# Altium PCB Machine interlock controller.PcbDoc
Units mm, origin at the board's own origin, x right, y up, seen from the top; angles counter-clockwise.
Board outline 50 x 80 mm, 4 copper layers (Top Layer, Int1 (GND), Int2 (PWR), Bottom Layer), stack 1.369 mm thick; 110 components, 78 nets, 324 pads, 117 vias.
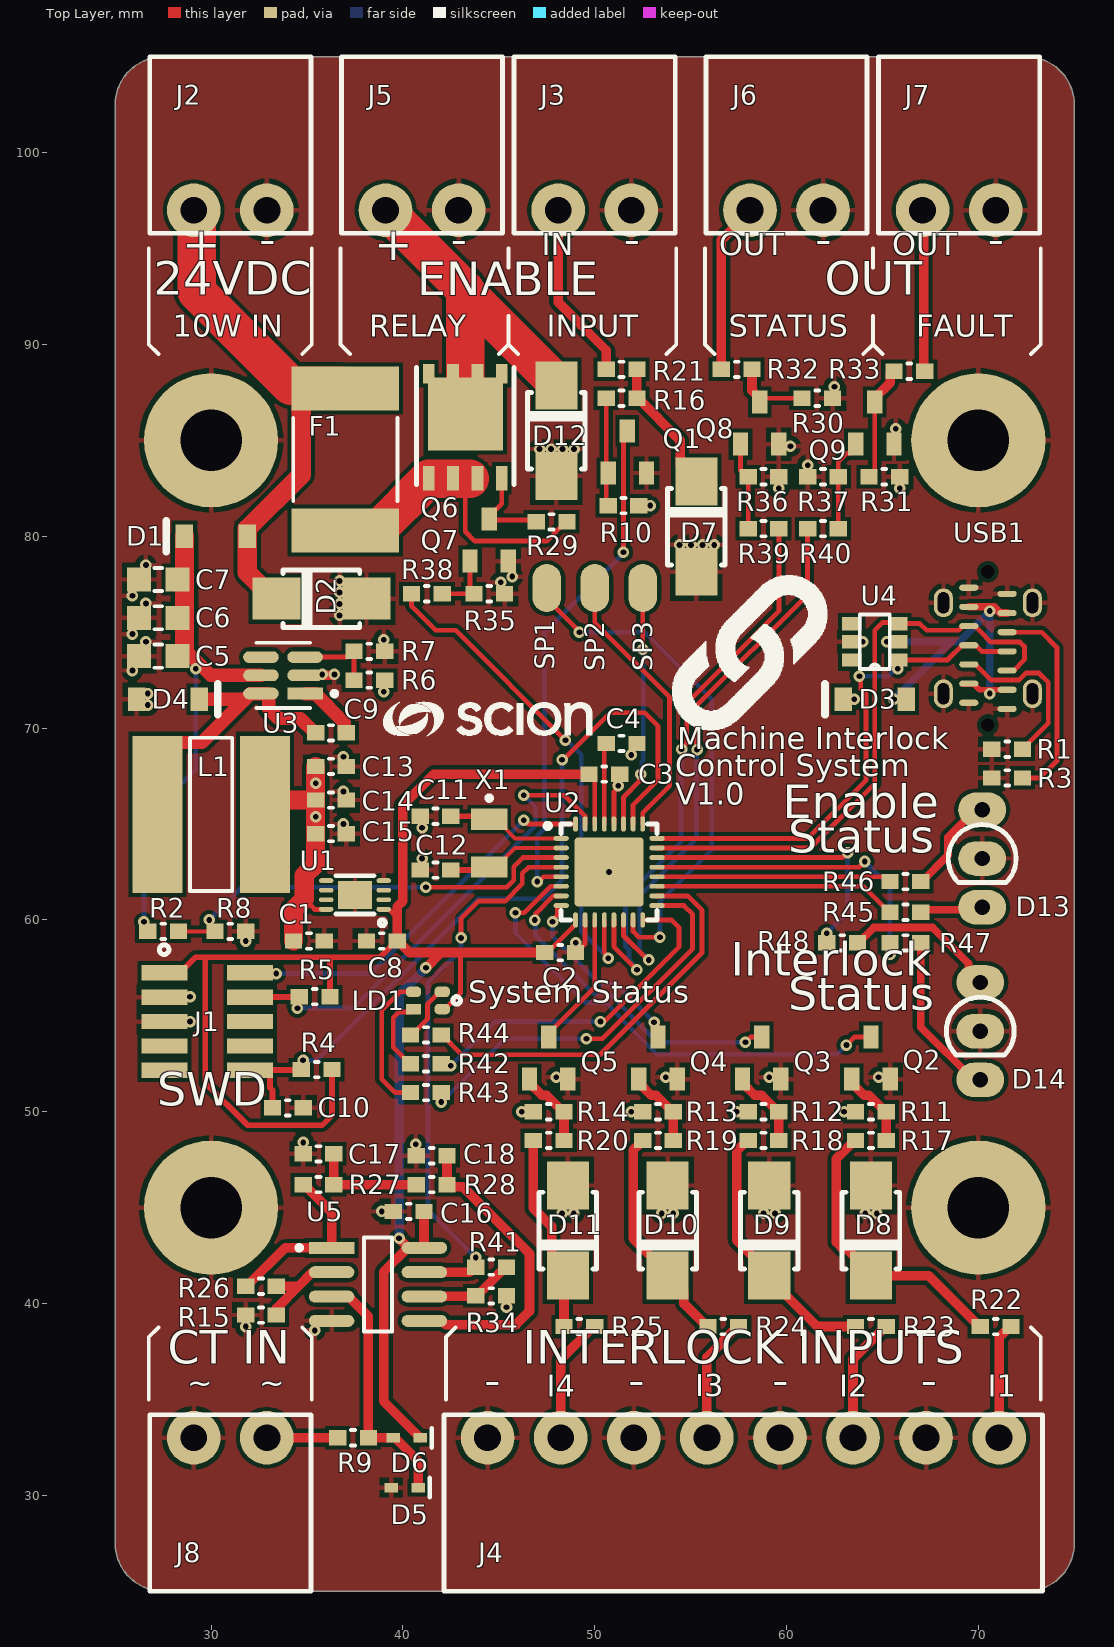
[diagram p0: Top Layer view]
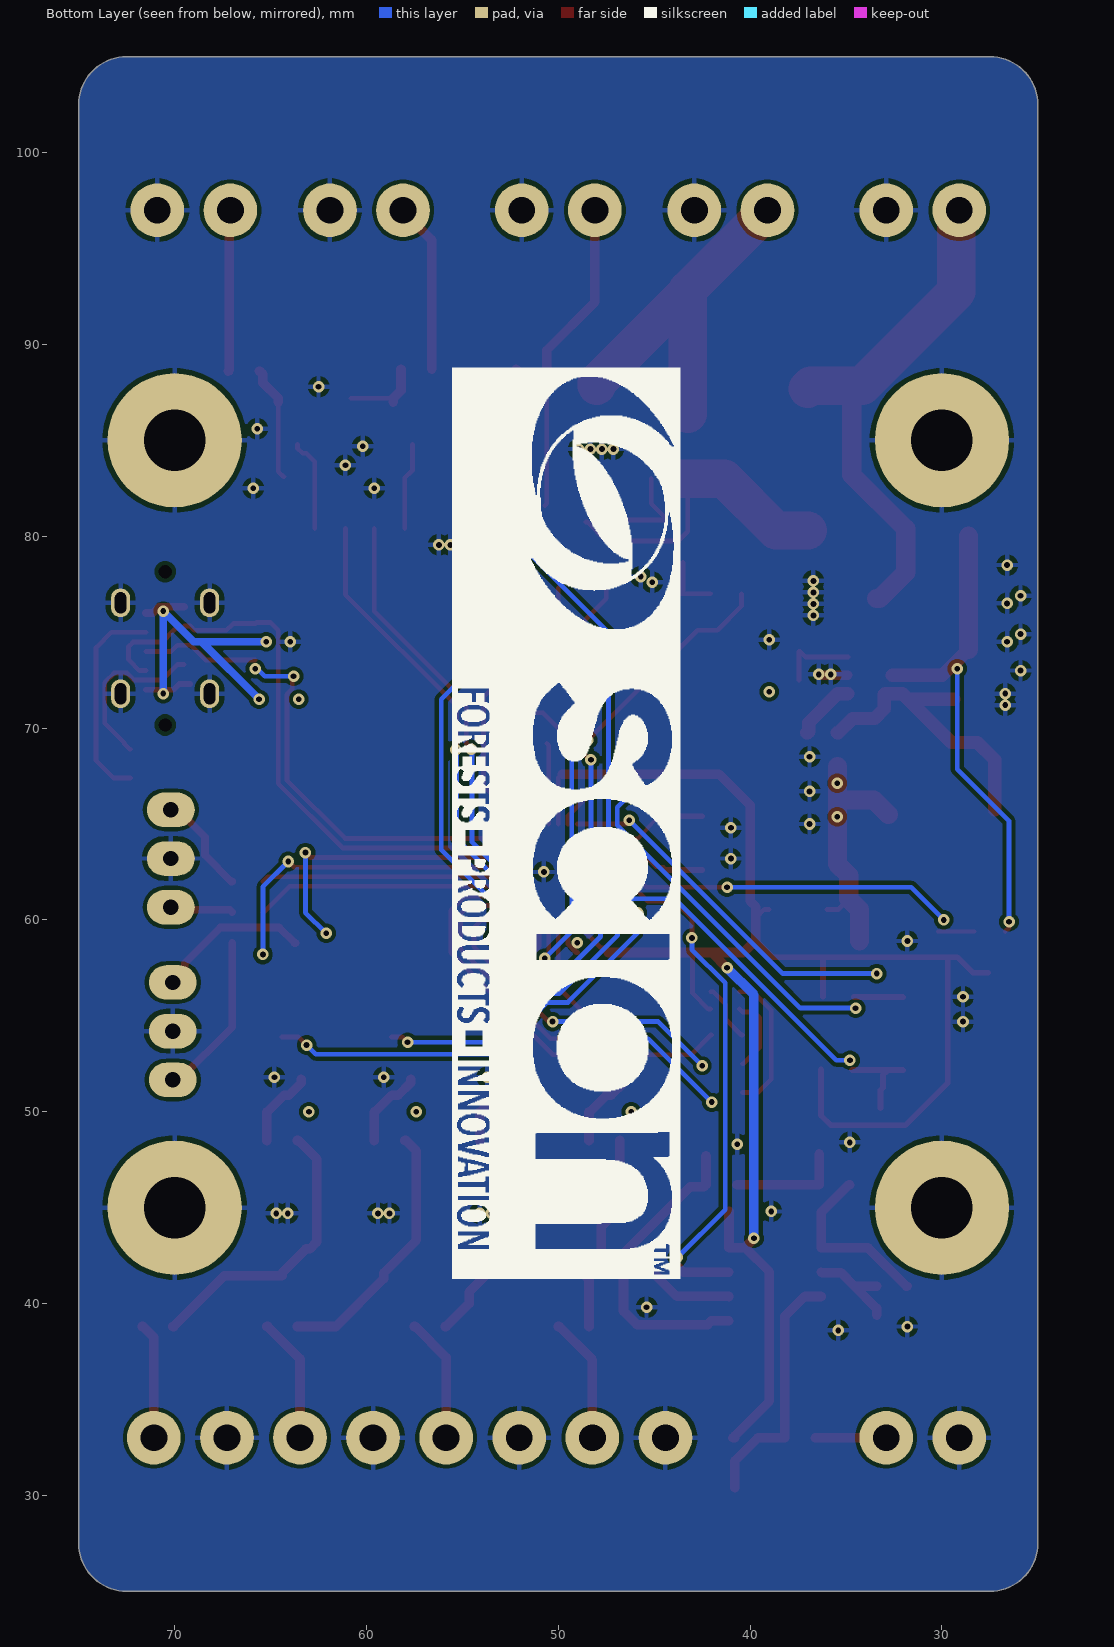
[diagram p1: Bottom Layer view, seen from below]
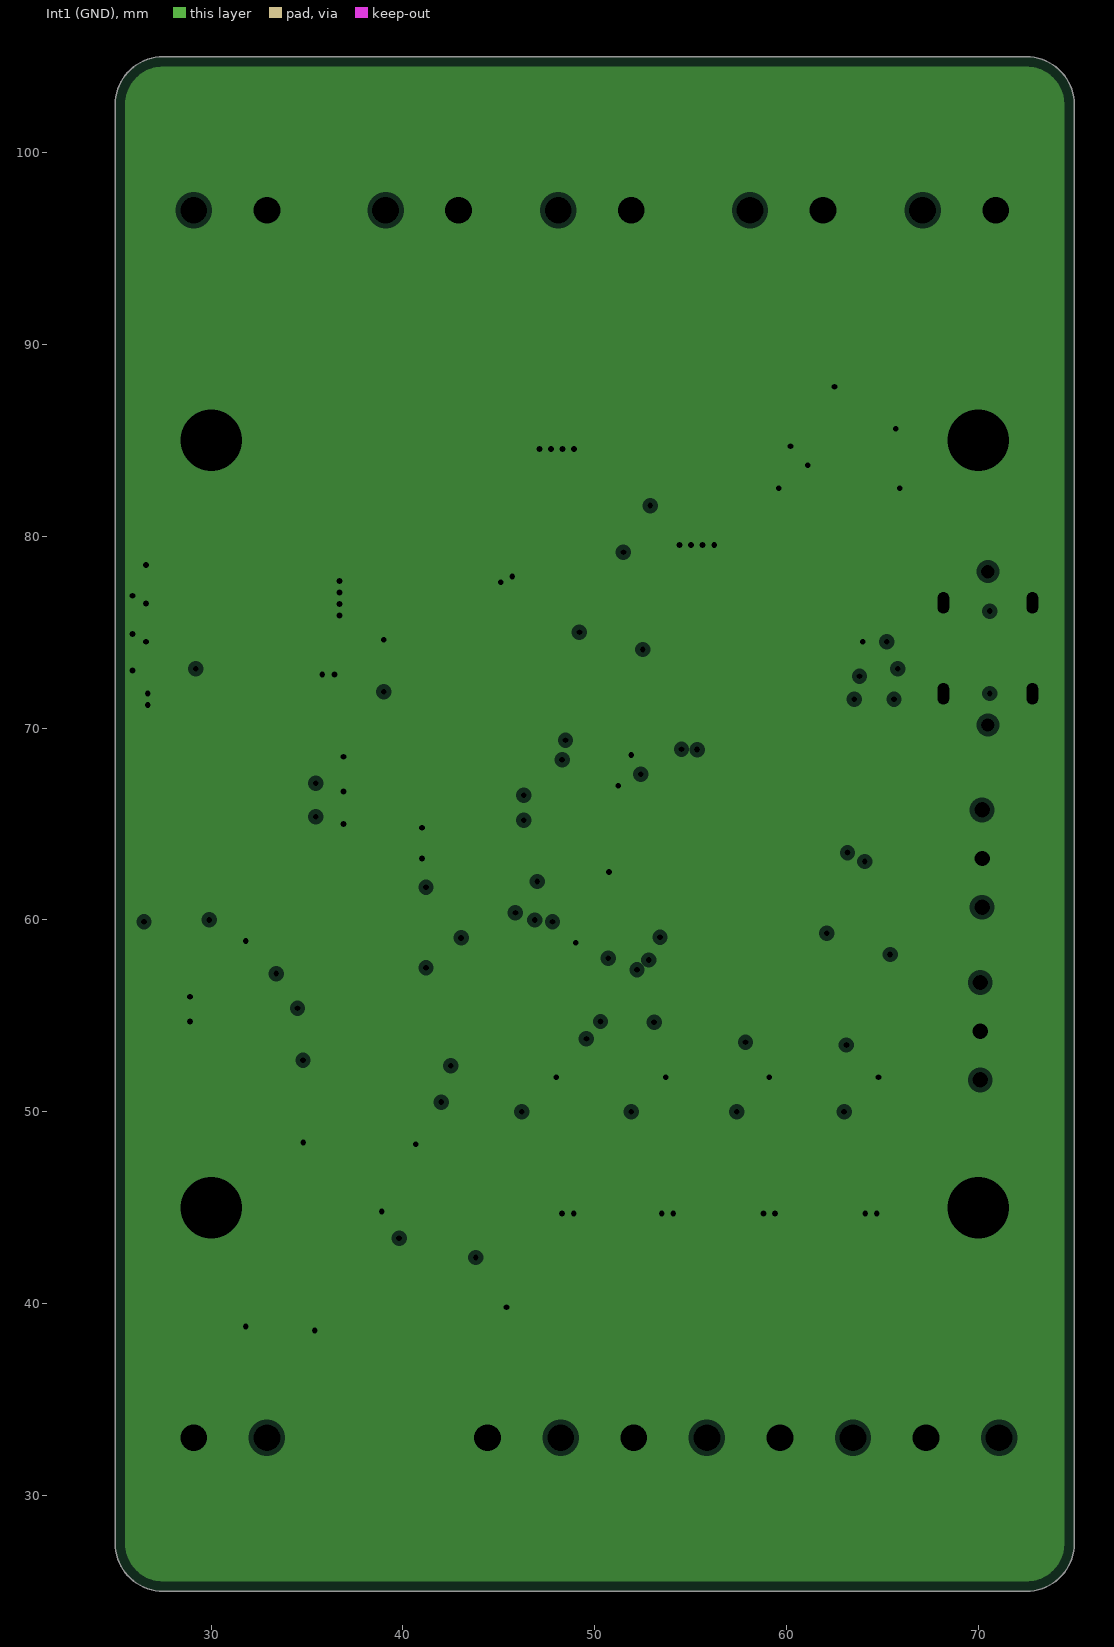
[diagram p2: Int1 (GND), clearances drawn from the general rule]
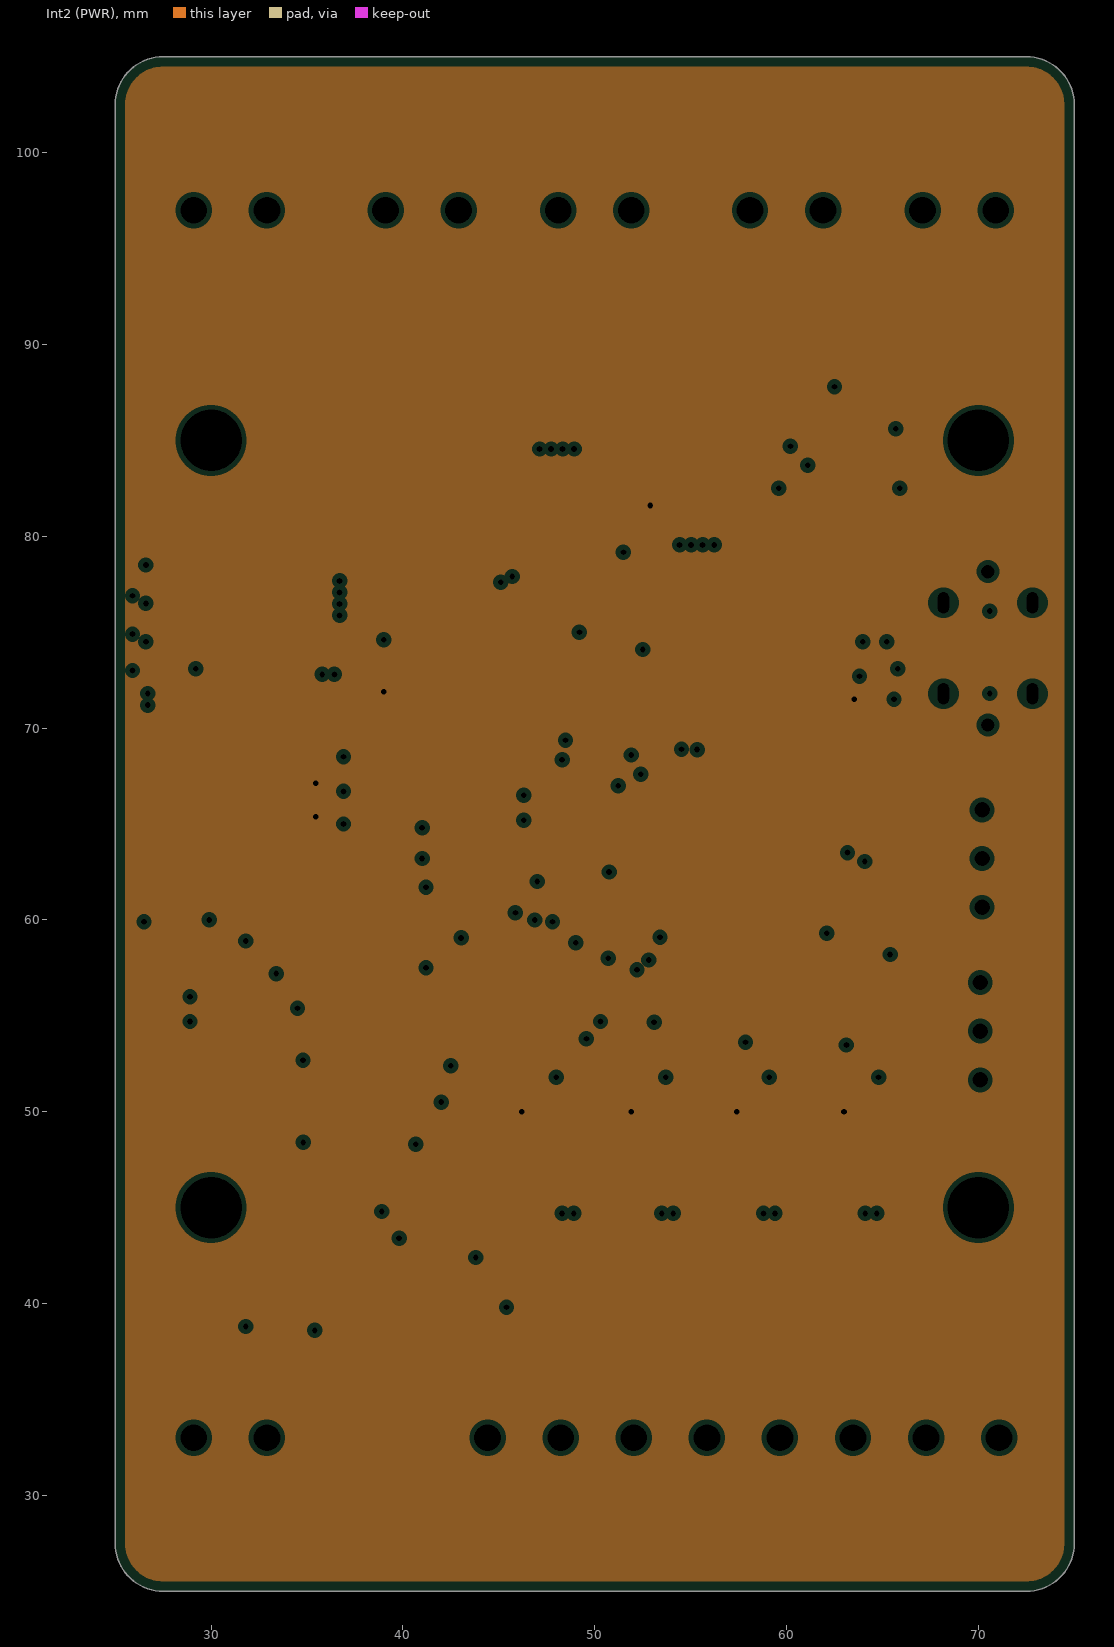
[diagram p3: Int2 (PWR), clearances drawn from the general rule]
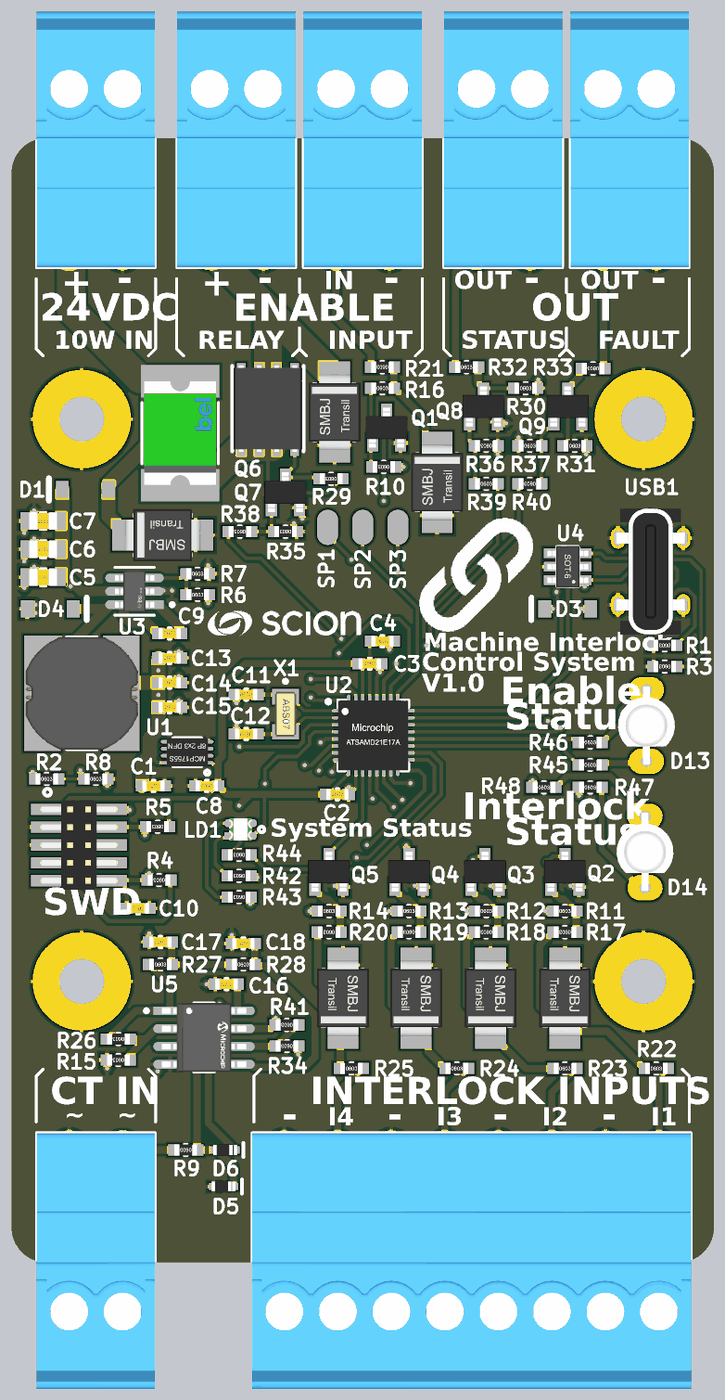
[diagram p4: 3D render of the assembled board from above, using the file's embedded part models]

## Layer stack, top to bottom
Top Solder: solder mask 0.0254, SM-001, Dk 4
Top Layer: signal copper 0.035
Dielectric 1: prepreg 0.1295, PP-017, Dk 4.3
Dielectric 2: prepreg 0.1295, PP-017, Dk 4.3
Int1 (GND): plane copper 0.035, net GND
Dielectric 3: core 0.7112, Core-039, Dk 4.8
Int2 (PWR): plane copper 0.035, net +5V
Dielectric 4: prepreg 0.1295, PP-017, Dk 4.3
Dielectric 5: prepreg 0.1295, PP-017, Dk 4.3
Bottom Layer: signal copper 0.035
Bottom Solder: solder mask 0.0254, SM-001, Dk 4

## Board outline
25,27.5 ccw(c27.5,27.5) 27.5,25 72.5,25 ccw(c72.5,27.5) 75,27.5 75,102.5 ccw(c72.5,102.5) 72.5,105 27.5,105 ccw(c27.5,102.5) 25,102.5

## Design rules (kind name [scope] priority, off if disabled: settings)
Clearance Clearance_1 [OnMid vs OnMid] p1: gap=0.2 ignorepadtopadclearanceinfootprint=FALSE sourcerule=41 cellrowname=All cellrowtype=0 cellcolname=All cellcoltype=0 innerlayers=TRUE
Clearance Clearance_2 [(ExistsOnLayer('Top Layer') Or ExistsOnLayer('Bottom Layer')) vs (ExistsOnLayer('Top Layer') Or ExistsOnLayer('Bottom Layer'))] p2: gap=0.2 ignorepadtopadclearanceinfootprint=FALSE sourcerule=41 cellrowname=All cellrowtype=0 cellcolname=All cellcoltype=0 outerlayers=TRUE
Clearance [All] p3: gap=0.254 ignorepadtopadclearanceinfootprint=FALSE ismatrix=TRUE
DiffPairsRouting "Schematic Differential Pairs Routing" [InDifferentialPairClass('All Differential Pairs')] p1: maxlimit=0.4 minlimit=0.2 mostfreqgap=0.25 toplayer_minwidth=0.2 toplayer_maxwidth=0.4 toplayer_prefwidth=0.25 bottomlayer_minwidth=0.2 bottomlayer_maxwidth=0.4 bottomlayer_prefwidth=0.25 maxuncoupledlength=12.7
DiffPairsRouting [All] p2: maxlimit=0.254 minlimit=0.254 mostfreqgap=0.254 toplayer_minwidth=0.381 toplayer_maxwidth=0.381 toplayer_prefwidth=0.381 bottomlayer_minwidth=0.381 bottomlayer_maxwidth=0.381 bottomlayer_prefwidth=0.381 maxuncoupledlength=12.7
HoleSize [All] p1: absolutevalues=TRUE maxlimit=5 minlimit=0.3 maxpercent=80.000 minpercent=20.000
PlaneClearance [All] p1: clearance=0.25
PlaneConnect [All] p1: planeconnectstyle=Relief reliefexpansion=0.25 reliefentries=4 reliefconductorwidth=0.25 reliefairgap=0.25
PolygonConnect [All] p1: connectstyle=Relief reliefconductorwidth=0.254 reliefentries=4 polygonreliefangle="90 Angle" airgapwidth=0.254
RoutingVias [All] p1: holewidth=0.3 width=0.6 viastyle="Through Hole" minholewidth=0.3 minwidth=0.6 maxholewidth=0.3 maxwidth=0.6
SolderMaskExpansion [All] p1: expansion=0.102 istentingtop=FALSE
Width "Schematic Width Constraint_3" [InNet('+3V3')] p1: maxlimit=10 minlimit=0.2 preferedwidth=0.4 minimp=50.000000 maximp=50.000000 favimp=50.000000
Width "Schematic Width Constraint_2" [InNet('+5V')] p2: maxlimit=10 minlimit=0.25 preferedwidth=0.5 minimp=50.000000 maximp=50.000000 favimp=50.000000
Width "Schematic Width Constraint" [InNet('+3V3')] p3: maxlimit=10 minlimit=0.2 preferedwidth=0.4 minimp=50.000000 maximp=50.000000 favimp=50.000000
Width "Schematic Width Constraint_1" [InNet('GND')] p4: maxlimit=10 minlimit=0.2 preferedwidth=0.4 minimp=50.000000 maximp=50.000000 favimp=50.000000
Width [All] p5: maxlimit=10 minlimit=0.2 preferedwidth=0.25 minimp=50.000000 maximp=50.000000 favimp=50.000000
26 further rules are at their usual default settings.

## Components (designator, comment, footprint, x,y, rotation, side; value= is the part's Value field where it differs from the comment)
C1 "Capacitor" 0603_CAP 35.1,58.9 r0 top value=10µF
C2 "Capacitor" 0603_CAP 48.2,58.3 r0 top value=100nF
C3 "Capacitor" 0603_CAP 50.5,67.6 r0 top value=100nF
C4 "Capacitor" 0603_CAP 51.4,69.2 r0 top value=100nF
C5 "Capacitor" 0805_CAP 27.25,73.75 r180 top value=22µF
C6 "Capacitor" 0805_CAP 27.25,75.75 r180 top value=22µF
C7 "Capacitor" 0805_CAP 27.25,77.75 r180 top value=22µF
C8 "Capacitor" 0603_CAP 38.9,58.9 r180 top value=10µF
C9 "Capacitor" 0603_CAP 36.25,69.75 r0 top value=100nF
C10 "Capacitor" 0603_CAP 34,50.2 r180 top value=100nF
C11 "Capacitor" 0603_CAP 41.7,65.4 r0 top value=22pF
C12 "Capacitor" 0603_CAP 41.7,62.6 r180 top value=22pF
C13 "Capacitor" 0603_CAP 36.25,68 r0 top value=100nF
C14 "Capacitor" 0603_CAP 36.25,66.25 r0 top value=10µF
C15 "Capacitor" 0603_CAP 36.25,64.5 r0 top value=10µF
C16 "Capacitor" 0603_CAP 40.3,44.8 r180 top value=10µF
C17 "Capacitor" 0603_CAP 35.6,47.8 r180 top value=10µF
C18 "Capacitor" 0603_CAP 41.5,47.7 r180 top value=10µF
D1 "Diode" SOD-123 30.25,80 r180 top
D2 "Transil" SMBJ 35.75,76.75 r180 top
D3 "Diode" SOD-123 64.6,71.5 r180 top
D4 "Diode" SOD-123 27.75,71.5 r0 top
D5 "Diode" SOD-523 40.1,30.4 r0 top
D6 "Diode" SOD-523 40.2,33 r0 top
D7 "Transil" SMBJ 55.3,80.5 r90 top
D8 "Transil" SMBJ 64.4,43.8 r270 top
D9 "Transil" SMBJ 59.1,43.8 r270 top
D10 "Transil" SMBJ 53.8,43.8 r270 top
D11 "Transil" SMBJ 48.6,43.8 r270 top
D12 "Transil" SMBJ 48,85.5 r90 top
D13 "LED 3mm Bi-colour" "LED 3mm Bi-colour-Footprint-1" 70.2,63.2 r90 top
D14 "LED 3mm Bi-colour" "LED 3mm Bi-colour-Footprint-1" 70.1,54.2 r90 top
F1 "0ZCF0100AF2A" FP-0ZCF0100AF2A-MFG 37,84 r90 top
J1 "SWD header" DIP10_1.27_M_SMD 29.8,54.7 r0 top
J2 "24VDC IN" "2P 3.81mm Header Plugable" 31,97 r0 top
J3 "Enable" "2P 3.81mm Header Plugable" 50,97 r0 top
J4 "Interlocks" "8P 3.81mm Header Plugable" 57.75,33 r180 top
J5 "2_Pin" "2P 3.81mm Header Plugable" 41,97 r0 top
J6 "2_Pin" "2P 3.81mm Header Plugable" 60,97 r0 top
J7 "2_Pin" "2P 3.81mm Header Plugable" 69,97 r0 top
J8 "2_Pin" "2P 3.81mm Header Plugable" 31,33 r180 top
L1 "Inductor" BOUR-SRN8040_V 30,65.5 r0 top value=22µH
LD1 "LED_RGB_CA" LED_RGB_CA 41.3,55.8 r0 top
Q1 "NMOS" SOT-23 51.7,84.4 r0 top
Q2 "NMOS" SOT-23 64.4,52.8 r0 top
Q3 "NMOS" SOT-23 58.7,52.8 r0 top
Q4 "NMOS" SOT-23 53.3,52.8 r0 top
Q5 "NMOS" SOT-23 47.6,52.8 r0 top
Q6 "PMOS" "PowerDI 5060-8" 43.25,85.75 r0 top
Q7 "NMOS" SOT-23 44.5,79.8 r0 top
Q8 "NMOS" SOT-23 58.6,85.9 r0 top
Q9 "NMOS" SOT-23 64.6,85.9 r0 top
R1 "Resistor" 0603_RES 71.5,68.9 r180 top value=5k1
R2 "Resistor" 0603_RES 27.5,59.4 r0 top value=100k
R3 "Resistor" 0603_RES 71.5,67.4 r180 top value=5k1
R4 "Resistor" 0603_RES 35.5,52.2 r180 top value=10k
R5 "Resistor" 0603_RES 35.4,56 r180 top value=10k
R6 "Resistor" 0603_RES 38.25,72.5 r0 top value=100k
R7 "Resistor" 0603_RES 38.25,74 r0 top value=18k
R8 "Resistor" 0603_RES 31,59.4 r0 top value=10k
R9 "Resistor" 0603_RES 37.4,33 r180 top value=10k
R10 "Resistor" 0603_RES 51.5,81.6 r180 top value=10k
R11 "Resistor" 0603_RES 64.4,50 r0 top value=10k
R12 "Resistor" 0603_RES 58.8,50 r0 top value=10k
R13 "Resistor" 0603_RES 53.3,50 r0 top value=10k
R14 "Resistor" 0603_RES 47.6,50 r0 top value=10k
R15 "Resistor" 0603_RES 32.6,39.4 r180 top value=10k
R16 "Resistor" 0603_RES 51.4,87.2 r0 top value=100R
R17 "Resistor" 0603_RES 64.4,48.5 r180 top value=100R
R18 "Resistor" 0603_RES 58.8,48.5 r180 top value=100R
R19 "Resistor" 0603_RES 53.3,48.5 r180 top value=100R
R20 "Resistor" 0603_RES 47.6,48.5 r180 top value=100R
R21 "Resistor" 0603_RES 51.4,88.7 r180 top value=100R
R22 "Resistor" 0603_RES 70.9,38.8 r0 top value=100R
R23 "Resistor" 0603_RES 64.4,38.8 r0 top value=100R
R24 "Resistor" 0603_RES 56.7,38.8 r0 top value=100R
R25 "Resistor" 0603_RES 49.2,38.8 r0 top value=100R
R26 "Resistor" 0603_RES 32.6,40.9 r180 top value=20k
R27 "Resistor" 0603_RES 35.6,46.2 r0 top value=20k
R28 "Resistor" 0603_RES 41.5,46.2 r0 top value=20k
R29 "Resistor" 0603_RES 47.75,80.75 r180 top value=10k
R30 "Resistor" 0603_RES 61.6,87.2 r0 top value=4k7
R31 "Resistor" 0603_RES 65.1,83.1 r0 top value=4k7
R32 "Resistor" 0603_RES 57.4,88.7 r0 top value=4k7
R33 "Resistor" 0603_RES 66.4,88.6 r180 top value=4k7
R34 "Resistor" 0603_RES 44.6,40.4 r180 top value=10k
R35 "Resistor" 0603_RES 44.5,77 r180 top value=100k
R36 "Resistor" 0603_RES 58.8,83.1 r180 top value=100k
R37 "Resistor" 0603_RES 61.9,83.1 r0 top value=100k
R38 "Resistor" 0603_RES 41.25,77 r180 top value=100R
R39 "Resistor" 0603_RES 58.8,80.4 r0 top value=100R
R40 "Resistor" 0603_RES 61.9,80.4 r180 top value=100R
R41 "Resistor" 0603_RES 44.6,41.9 r180 top value=20k
R42 "Resistor" 0603_RES 41.2,52.5 r180 top value=200R
R43 "Resistor" 0603_RES 41.2,51 r180 top value=200R
R44 "Resistor" 0603_RES 41.2,54 r180 top value=100R
R45 "Resistor" 0603_RES 66.2,60.4 r0 top value=200R
R46 "Resistor" 0603_RES 66.2,62 r0 top value=200R
R47 "Resistor" 0603_RES 66.2,58.8 r0 top value=200R
R48 "Resistor" 0603_RES 62.9,58.8 r0 top value=200R
SP1 "CMP-00044-2" "Prog Pad 1.5 x 2.5mm" 47.5,77.3 r0 top
SP2 "CMP-00044-2" "Prog Pad 1.5 x 2.5mm" 50,77.3 r0 top
SP3 "CMP-00044-2" "Prog Pad 1.5 x 2.5mm" 52.5,77.3 r0 top
U1 "MCP1755S" "8P 2x3 DFN" 37.5,61.3 r180 top
U2 "ATSAMD21E18A" "32P QFN" 50.75,62.5 r0 top
U3 "LMR14010ADDCR" FP-DDC0006A-IPC_A 33.75,72.75 r180 top
U4 "NUP4304MR6" TSOP-6 64.6,74.5 r180 top
U5 "MCP6007-E/SN" FP-C04-057-SN-IPC_A 38.7,41 r0 top
USB1 "USB C" GT-USB-7090A 70.5,70.16 r90 top
X1 "32.768KHz" ABRA-ABS07-2_V 44.5,64 r270 top
